# KiCad board q2.kicad_pcb (continued)
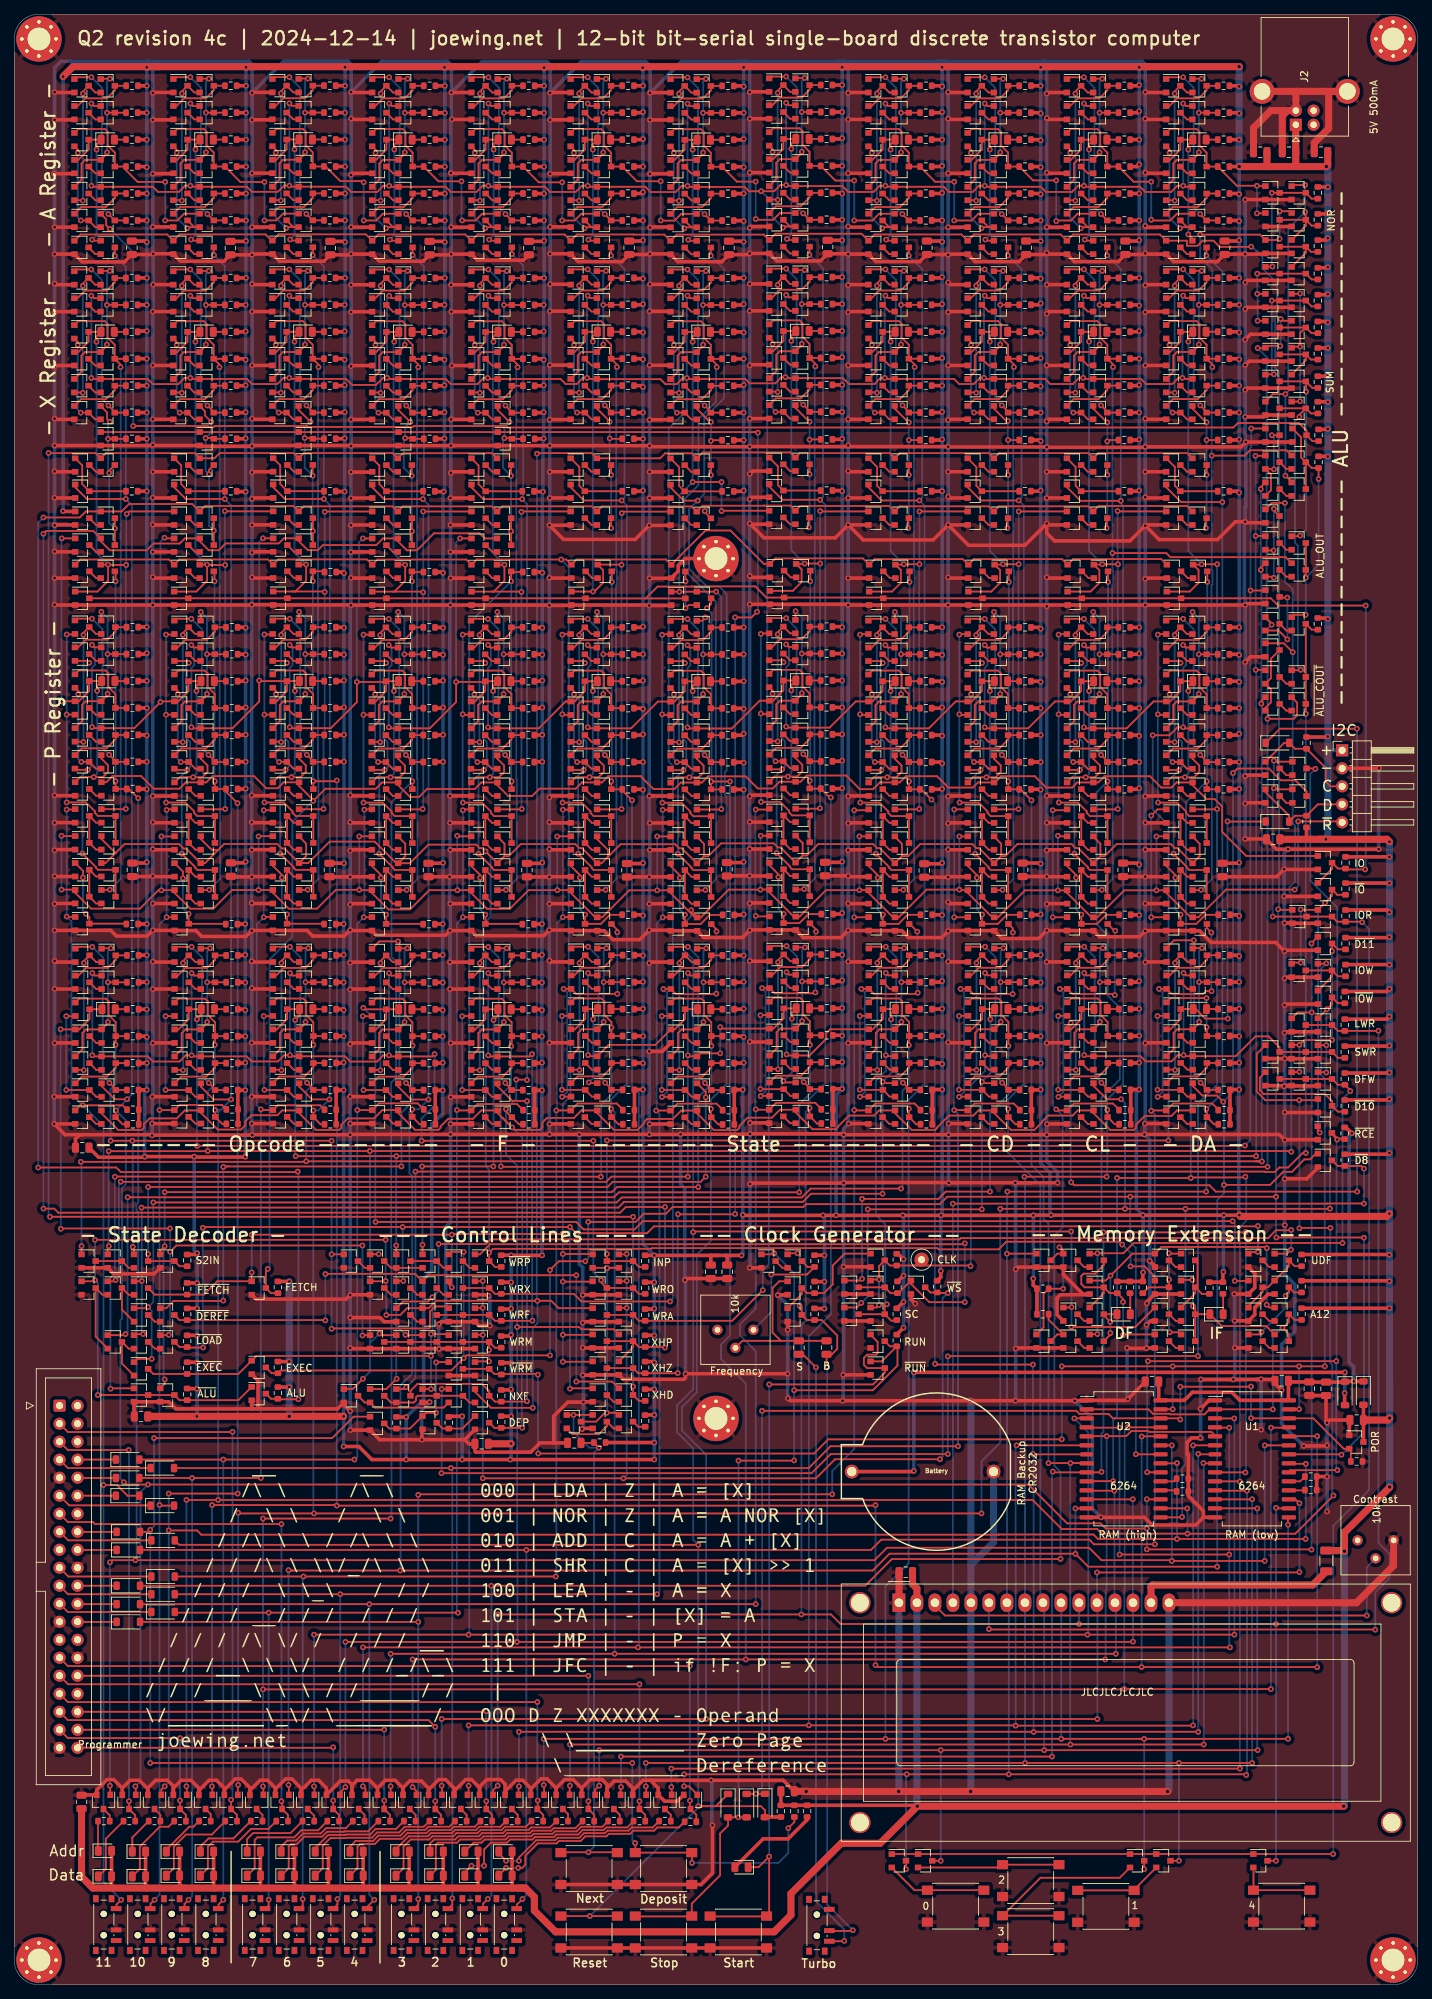
[diagram p0: board, top side]
## Routing (per net, layer and track width the routed paths; a pad name or vN(x,y) marks a point on that pad's centre or on a via; arc(x,y) is an arc through that point) (continued)
VCC: length 4016.3
  Top w0.5: 31.46,210.63 31.38,210.7 31.44,210.65 v1(32.65,210.65) ; R322.1 90.23,95.32 v1(90.3,95.4) ; v1(90.3,91.6) 90.27,91.62 R306.1 ; v1(90.3,87.8) 90.17,87.92 R310.1 ; v1(90.3,84) 89.02,84 R313.1 ; v1(90.3,99.1) 89.02,99.1 R323.1 ; 31.52,149.65 R48.1 31.52,149.65 v1(32.6,149.65) ; 31.54,172.53 R54.1 31.56,172.55 v1(32.65,172.55) ; 45.39,149.66 R78.1 45.38,149.66 v1(46.47,149.66) ; 45.41,172.54 R84.1 45.43,172.56 v1(46.52,172.56) ; R82.1 46.48,176.32 v1(46.52,176.36) ; R80.1 46.43,180.12 v1(46.52,180.21) ; R83.1 46.43,183.92 v1(46.52,184.01) ; R81.1 46.46,187.72 v1(46.52,187.66) ; v1(46.52,191.46) 46.46,191.52 R79.1 ; v1(46.47,126.21) 45.44,126.21 R90.1 45.42,123.45 R63.1 R62.1 ; v1(46.47,130.11) 46.39,130.03 R88.1 ; v1(46.47,133.81) 46.44,133.83 R86.1 ; v1(46.47,137.51) 46.34,137.63 R89.1 ; v1(46.47,141.41) 46.44,141.43 R87.1 ; R85.1 46.39,145.23 v1(46.47,145.31) ; 59.36,149.65 R108.1 59.36,149.64 v1(60.45,149.64) ; 59.39,172.52 R114.1 59.41,172.54 v1(60.5,172.54) ; R112.1 60.45,176.3 v1(60.5,176.34) ; R110.1 60.4,180.1 v1(60.5,180.19) ; R113.1 60.4,183.9 v1(60.5,183.99) ; R111.1 60.44,187.7 v1(60.5,187.64) ; v1(60.5,191.44) 60.44,191.5 R109.1 ; v1(60.45,126.19) 59.42,126.19 R120.1 59.4,123.53 R93.1 R92.1 ; v1(60.45,130.09) 60.37,130.02 R118.1 ; v1(60.45,133.79) 60.42,133.82 R116.1 ; v1(60.45,137.49) 60.32,137.62 R119.1 ; v1(60.45,141.39) 60.42,141.42 R117.1 ; R115.1 60.37,145.22 v1(60.45,145.29) ; 73.36,149.65 R138.1 73.36,149.64 v1(74.45,149.64) ; 73.39,172.52 R144.1 73.41,172.54 v1(74.5,172.54) ; R142.1 74.45,176.3 v1(74.5,176.34) ; R140.1 74.4,180.1 v1(74.5,180.19) ; R143.1 74.4,183.9 v1(74.5,183.99) ; R141.1 74.44,187.7 v1(74.5,187.64) ; v1(74.5,191.44) 74.44,191.5 R139.1 ; v1(74.45,126.19) 73.42,126.19 R150.1 73.4,123.43 R123.1 R122.1 ; v1(74.45,130.09) 74.37,130.02 R148.1 ; v1(74.45,133.79) 74.42,133.82 R146.1 ; v1(74.45,137.49) 74.32,137.62 R149.1 ; v1(74.45,141.39) 74.42,141.42 R147.1 ; R145.1 74.37,145.22 v1(74.45,145.29) ; R136.1 74.63,233.18 v1(74.7,233.24) ; R133.1 74.56,229.38 v1(74.7,229.24) ; v1(74.7,225.64) 74.63,225.58 R135.1 ; R137.1 74.63,221.78 v1(74.7,221.84) ; v1(74.6,210.64) 73.38,210.64 R131.1 73.41,210.62 ; v1(74.7,236.99) 73.43,236.99 R134.1 ; v1(74.75,240.79) 73.43,240.79 R132.1 ; v1(74.75,248.89) 73.43,248.89 R129.1 ; v1(74.75,252.69) 73.43,252.69 R127.1 ; v1(74.75,256.49) 73.43,256.49 R125.1 ; v1(74.75,260.29) 73.43,260.29 R128.1 ; v1(74.75,264.09) 73.43,264.09 R126.1 ; R124.1 74.74,267.9 v1(74.75,267.89) ; 46.68,270.5 v1(46.67,270.51) ; R106.1 60.63,233.18 v1(60.7,233.24) ; R103.1 60.56,229.38 v1(60.7,229.24) ; v1(60.7,225.64) 60.63,225.58 R105.1 ; R107.1 60.63,221.78 v1(60.7,221.84) ; v1(60.6,210.64) 59.38,210.64 R101.1 59.41,210.62 ; v1(60.7,236.99) 59.43,236.99 R104.1 ; v1(60.75,240.79) 59.43,240.79 R102.1 ; v1(60.75,248.89) 59.43,248.89 R99.1 ; v1(60.75,252.69) 59.43,252.69 R97.1 ; v1(60.75,256.49) 59.43,256.49 R95.1 ; v1(60.75,260.29) 59.43,260.29 R98.1 ; v1(60.75,264.09) 59.43,264.09 R96.1 ; R94.1 60.74,267.9 v1(60.75,267.89) ; R76.1 46.56,233.2 v1(46.62,233.26) ; R73.1 46.48,229.4 v1(46.62,229.26) ; v1(46.62,225.66) 46.56,225.6 R75.1 ; R77.1 46.56,221.8 v1(46.62,221.86) ; R70.1 46.57,218.11 v1(46.62,218.16) ; v1(46.62,210.66) 45.41,210.66 R71.1 45.43,210.64 ; v1(46.62,237.01) 45.35,237.01 R74.1 ; v1(46.67,240.81) 45.35,240.81 R72.1 ; v1(46.67,248.91) 45.36,248.91 R69.1 ; v1(46.67,252.71) 45.36,252.71 R67.1 ; v1(46.67,256.51) 45.36,256.51 R65.1 ; v1(46.67,260.31) 45.36,260.31 R68.1 ; v1(46.67,264.11) 45.36,264.11 R66.1 ; R64.1 46.66,267.92 v1(46.67,267.91) ; 87.5,126.27 87.48,126.25 ; 87.48,126.25 87.52,126.3 v1(88.7,126.3) ; 87.48,126.25 87.5,126.22 R401.1 R400.1 ; 101.53,267.88 101.51,267.9 R372.1 102.82,267.88 v1(102.9,267.8) ; 101.58,126.25 R398.1 ; R398.1 101.61,126.28 v1(102.78,126.28) ; R398.1 101.58,126.2 R371.1 R370.1 ; 115.45,268 115.42,268.02 R154.1 v1(116.8,268) ; 115.5,126.37 115.48,126.35 ; 115.48,126.35 115.5,126.32 R153.1 R152.1 ; 115.48,126.35 115.52,126.4 v1(116.8,126.4) ; 129.45,267.9 129.43,267.92 R184.1 130.8,267.9 v1(130.9,267.8) ; 129.5,126.27 129.48,126.25 ; 129.48,126.25 129.5,126.22 R183.1 R182.1 ; 129.48,126.25 129.52,126.3 v1(130.9,126.3) ; 157.45,267.9 157.43,267.92 R214.1 158.6,267.9 v1(158.7,268) ; 157.5,126.27 157.48,126.25 ; 157.48,126.25 157.5,126.22 R213.1 R212.1 ; 157.48,126.25 157.52,126.3 v1(158.7,126.3) ; 171.45,267.9 171.43,267.92 R244.1 172.7,267.9 v1(172.8,267.8) ; 171.5,126.27 171.48,126.25 ; 171.48,126.25 171.5,126.22 R243.1 R242.1 ; 171.48,126.25 171.52,126.3 v1(172.8,126.3) ; R245.1 v2(172.8,256.5) ; v1(144.8,252.6) 144.7,252.7 R342.1 ; v1(38.8,84.34) 38.78,84.32 R305.1 ; 143.48,130.05 144.75,130.05 v1(144.8,130) ; v1(194,155.4) 193.98,155.42 R288.1 ; R406.1 88.6,260.3 v1(88.7,260.4) ; R291.1 193.68,151.62 v1(194,151.3) ; R343.1 144.7,260.3 v1(144.8,260.2) ; R356.1 144.6,237 v1(144.8,237.2) ; v1(32.6,116.82) 32.55,116.77 25.47,116.77 v1(25.4,116.84) 18.41,116.84 v1(18.4,116.82) 18.32,116.75 11.9,116.75 C20.2 ; R264.1 v1(172.8,221.8) ; R411.1 v1(88.7,187.7) ; v1(144.8,137.8) 144.65,137.65 143.48,137.65 ; v1(46.67,245.87) 46.59,245.95 C3.1 ; 193.95,108.75 v1(194,108.8) ; R403.1 v1(88.7,256.5) ; v1(130.9,187.6) 130.8,187.7 R193.1 ; R248.1 v1(172.8,260.3) ; R454.1 193.98,103.02 v1(194,103) ; R15.1 17.42,225.6 v1(18.7,225.6) ; R369.1 102.87,168.63 v1(102.9,168.6) ; R257.1 172.72,217.92 v1(172.8,218) ; v1(32.65,191.45) 32.59,191.51 R49.1 ; v1(18.7,149.65) R18.1 ; v1(88.7,240.7) 87.52,240.7 R417.1 ; C38.1 172.7,158.22 v1(172.8,158.32) ; R391.1 102.82,233.18 v1(102.9,233.1) ; Q23.1 6.95,207.85 v1(6.9,207.9) ; R352.1 144.68,217.92 v1(144.8,217.8) ; R201.1 130.8,237 v1(130.9,237.1) ; R173.1 v1(116.8,233.3) ; v1(46.52,199.13) 46.35,199.3 R61.1 ; R56.1 32.58,133.82 v1(32.6,133.8) ; R298.1 25.77,95.42 v1(25.8,95.4) ; R409.1 88.6,191.5 v1(88.7,191.6) ; C7.1 130.8,246 v1(130.9,245.9) ; R319.1 61.38,80.2 v1(63.2,80.2) ; R422.1 v1(88.7,221.8) ; R303.1 25.62,103.02 v1(25.8,103.2) ; v1(158.7,137.7) 158.65,137.65 157.48,137.65 ; R216.1 158.5,264.1 v1(158.7,264.3) ; R404.1 88.6,264.1 v1(88.7,264.2) ; R397.1 102.83,137.63 v1(102.9,137.7) ; R315.1 68.72,99.1 v1(70.1,99.1) ; v1(18.7,145.25) 17.57,145.25 R25.1 ; v1(88.7,229.3) 88.6,229.4 R418.1 ; v1(172.8,130.1) 172.75,130.05 171.48,130.05 ; v1(144.8,191.3) 144.6,191.5 R346.1 ; v1(32.7,264.1) 31.39,264.1 R36.1 ; v1(102.9,252.7) 102.88,252.68 R375.1 ; v1(185.3,215.6) 185.27,215.62 184,215.62 ; v1(102.9,151) 102.83,150.93 R378.1 ; 108,25.32 110.2,25.32 110.12,25.32 ; v1(130.9,176.2) 130.8,176.3 R194.1 ; v1(116.8,172.7) 116.7,172.6 R166.1 ; R52.1 32.61,176.31 v1(32.65,176.35) ; v1(32.65,184) 32.56,183.91 R53.1 ; R29.1 18.67,137.63 v1(18.7,137.6) ; R300.1 25.77,87.82 v1(25.8,87.8) ; v1(88.7,176.4) 88.6,176.3 R412.1 ; 87.48,137.65 88.65,137.65 v1(88.7,137.7) ; R158.1 116.7,260.4 v1(116.8,260.5) ; R43.1 32.51,229.39 v1(32.65,229.25) ; v1(194,136.6) 193.63,136.22 R289.1 ; R271.1 112.92,95.4 v1(114.3,95.4) ; R294.1 193.63,140.12 v1(194,140.5) ; v1(74.7,218.14) 74.65,218.09 R130.1 ; R390.1 102.78,225.58 v1(102.9,225.7) ; v1(130.9,180.2) 130.8,180.1 R192.1 ; 183.9,249.82 185.12,249.82 v1(185.3,250) ; v1(88.7,168.6) 88.65,168.65 R399.1 ; R396.1 102.83,130.03 v1(102.9,130.1) ; v1(102.9,221.8) 102.88,221.78 R392.1 ; v1(116.8,158.45) 116.7,158.35 C35.1 ; v1(32.7,252.7) 31.39,252.7 R37.1 ; R32.1 R33.1 31.55,123.52 R60.1 31.58,126.2 v1(32.6,126.2) ; R203.1 v1(130.9,233.2) ; R39.1 31.39,248.9 v1(32.7,248.9) ; R349.1 v1(144.8,176.3) ; v1(170.57,100.57) 170.5,100.5 R457.1 R458.1 ; v1(114.3,99.2) 112.92,99.2 R273.1 ; R461.1 R460.1 R456.1 159.2,100.45 v1(159.25,100.5) ; R191.1 v1(130.9,191.5) ; R326.1 185.23,242.22 v1(185.3,242.3) ; R219.1 v1(158.7,248.9) ; R263.1 172.7,233.2 v1(172.8,233.1) ; R384.1 102.82,172.48 v1(102.9,172.4) ; C23.1 88.61,246 v1(88.7,246.09) ; v1(102.9,256.4) 102.82,256.48 R373.1 ; v1(130.7,100.7) 130.7,99.82 R308.1 ; R16.1 17.52,233.3 v1(18.7,233.3) ; v1(18.7,172.55) 17.52,172.55 R24.1 ; R455.1 v1(194,95.45) ; 143.48,145.25 144.75,145.25 v1(144.8,145.3) ; v1(158.7,130.1) 158.65,130.05 157.48,130.05 ; R55.1 32.52,145.22 v1(32.6,145.3) ; v1(158.7,145.3) 158.65,145.25 157.48,145.25 ; R402.1 87.42,267.92 87.45,267.9 v1(88.7,267.9) ; C9.1 172.7,246 v1(172.8,246.1) ; R380.1 102.82,180.08 v1(102.9,180) ; 55.8,13.65 55.74,13.71 D89.2 D75.2 ; v1(130.9,256.6) 130.8,256.5 R185.1 ; v1(25.8,84.1) 24.42,84.1 R304.1 ; R395.1 102.83,141.43 v1(102.9,141.5) ; R151.1 116.75,168.75 v1(116.8,168.8) ; v1(158.7,210.8) 158.6,210.7 R228.1 ; v1(18.7,168.65) 18.65,168.7 17.52,168.7 ; R317.1 70.02,95.32 v1(70.1,95.4) ; v1(158.7,158.02) 158.48,158.24 C37.1 ; R416.1 88.6,210.7 v1(88.7,210.8) ; v1(172.8,133.8) 172.75,133.85 171.48,133.85 ; v1(74.75,246.05) 74.65,245.95 C5.1 ; R381.1 102.88,187.68 v1(102.9,187.7) ; R28.1 18.68,130.03 v1(18.7,130.05) ; v1(32.6,141.4) 32.58,141.42 R57.1 ; v1(70.1,91.7) 69.92,91.52 R314.1 ; R170.1 116.7,229.5 v1(116.8,229.6) ; C24.2 100.58,102.69 100.37,102.9 ; R217.1 v1(158.7,252.7) ; R161.1 116.7,191.6 v1(116.8,191.5) ; R234.1 v1(158.7,221.8) ; v1(130.9,129.9) 130.75,130.05 129.48,130.05 ; R51.1 32.59,187.71 v1(32.65,187.65) ; R292.1 193.93,132.42 v1(194,132.5) ; R463.1 R462.1 143.75,98.72 v1(143.75,99.62) ; R190.1 130.85,150.95 v1(130.9,150.9) ; v1(144.8,133.8) 144.75,133.85 143.48,133.85 ; v1(46.52,158.21) 46.51,158.22 C32.1 ; R290.1 193.93,147.72 v1(194,147.8) ; R324.1 185.27,253.62 v1(185.3,253.6) ; v1(88.7,158.26) 88.62,158.18 C41.1 ; v1(130.9,252.8) 130.8,252.7 R187.1 ; R241.1 172.75,168.65 v1(172.8,168.7) ; v1(158.7,150.9) 158.65,150.95 R220.1 ; R347.1 v1(144.8,180.1) ; v1(102.9,191.5) 102.88,191.48 R379.1 ; 87.48,130.05 88.65,130.05 v1(88.7,130) ; v1(125.45,96.35) 124.52,95.42 R276.1 ; v1(185.3,238.5) 185.23,238.42 R325.1 ; R223.1 158.6,187.7 v1(158.7,187.8) ; v1(102.9,145.2) 102.87,145.23 R393.1 ; 87.48,145.25 88.65,145.25 v1(88.7,145.2) ; R196.1 130.7,172.5 v1(130.9,172.3) ; v1(144.8,158.16) 144.71,158.25 C39.1 ; v1(18.7,180.1) 18.67,180.13 R20.1 ; v1(32.7,246) 32.65,245.95 C2.1 ; 31.52,168.7 32.6,168.7 v1(32.65,168.75) ; C34.1 74.37,158.2 v1(74.5,158.33) ; v1(130.9,183.8) 130.8,183.9 R195.1 ; C17.1 v1(144.8,246) ; v1(185.3,227) 185.23,226.92 R327.1 ; v1(158.7,225.7) 158.6,225.6 R232.1 ; v1(32.65,218.15) 32.6,218.1 31.38,218.1 ; v1(194,128.7) 193.93,128.62 R295.1 ; R466.1 70.05,87.75 v1(70.1,87.7) ; R156.1 v1(116.8,264.2) ; R227.1 158.62,217.92 v1(158.7,218) ; v1(38.8,87.93) 38.8,87.92 R302.1 ; v1(102.9,183.9) 102.88,183.88 R383.1 ; v1(88.7,141.5) 88.65,141.45 87.48,141.45 ; v1(90.3,74.1) v1(70,74.1) v1(63.2,74.1) v1(55.3,74.1) 50.46,74.1 48.61,75.94 v1(46.47,75.94) ; R250.1 172.65,150.95 v1(172.8,150.8) ; v1(144.8,229.5) 144.7,229.4 R355.1 ; v1(102.9,245.9) 102.82,245.98 C22.1 ; R172.1 v1(116.8,225.7) ; v1(116.8,210.7) 116.7,210.8 R168.1 ; R47.1 32.59,221.79 v1(32.65,221.85) ; 49.33,13.65 49.24,13.74 D88.2 D74.2 ; v1(130.9,137.7) 130.85,137.65 129.48,137.65 ; R353.1 144.7,210.7 v1(144.8,210.8) ; v1(88.7,233.1) 88.6,233.2 R421.1 ; 115.48,130.15 116.75,130.15 v1(116.8,130.2) ; v1(172.8,264) 172.7,264.1 R246.1 ; 115.48,133.95 116.75,133.95 v1(116.8,133.9) ; v1(74.47,102.9) v1(70.1,102.9) 70.08,102.92 R321.1 ; v1(172.8,248.8) 172.7,248.9 R249.1 ; v1(74.5,199.2) 74.4,199.3 R121.1 ; v1(144.8,264) 144.7,264.1 R341.1 ; 23.9,13.65 23.34,14.21 D83.2 D71.2 ; R167.1 116.72,218.02 v1(116.8,218.1) ; v1(70.1,84) 70.02,83.92 R309.1 ; R42.1 31.38,240.8 v1(32.7,240.8) ; v1(130.9,218) 130.82,217.92 R197.1 ; v1(130.9,133.9) 130.85,133.85 129.48,133.85 ; R169.1 v1(116.8,240.9) ; v1(130.9,145.2) 130.85,145.25 129.48,145.25 ; R259.1 v1(172.8,240.8) ; v1(158.7,168.8) 158.55,168.65 R211.1 ; D79.2 D91.2 65.44,13.76 65.33,13.65 ; R252.1 v1(172.8,180.1) ; v1(144.8,141.4) 144.75,141.45 143.48,141.45 ; 183.9,246.12 185.02,246.12 v1(185.3,246.4) ; v1(32.65,180.2) 32.56,180.11 R50.1 ; v1(185.3,230.9) 185.27,230.92 R331.1 ; R420.1 88.5,225.6 v1(88.7,225.4) ; 171.48,141.45 172.75,141.45 v1(172.8,141.5) ; R160.1 116.65,151.05 v1(116.8,151.2) ; v1(144.8,126.3) 144.75,126.25 143.48,126.25 143.48,123.42 R338.1 R337.1 ; v1(194,159.1) 193.98,159.12 R287.1 ; R253.1 172.7,187.7 v1(172.8,187.6) ; v1(158.7,141.6) 158.55,141.45 157.48,141.45 ; v1(18.7,183.95) 18.68,183.93 R23.1 ; v1(32.7,260.3) 31.39,260.3 R38.1 ; v1(144.8,233) 144.6,233.2 R358.1 ; R221.1 v1(158.7,191.5) ; v1(185.3,176.1) 185.23,176.02 R368.1 ; D38.2 C15.2 U3.3 ; R186.1 130.8,264.1 v1(130.9,264.2) ; R275.1 124.67,103.12 v1(125.45,102.35) ; 115.48,145.35 116.75,145.35 v1(116.8,145.3) ; R231.1 158.6,237 v1(158.7,236.9) ; R163.1 v1(116.8,187.8) ; v1(90.3,80.4) 89.02,80.4 R311.1 ; v1(18.7,229.4) 17.42,229.4 R13.1 ; R261.1 v1(172.8,237) ; v1(102.9,229.4) 102.88,229.38 R388.1 ; C40.1 102.81,158.32 v1(102.9,158.41) ; R165.1 v1(116.8,184) ; R46.1 32.59,233.19 v1(32.65,233.25) ; R344.1 v1(144.8,248.9) ; C6.1 v1(116.8,246.1) ; v1(194,143.9) 193.98,143.92 R293.1 ; R58.1 32.52,130.02 v1(32.6,130.1) ; v1(172.8,252.6) 172.7,252.7 R247.1 ; v1(70.1,80.2) 68.72,80.2 R320.1 ; R262.1 v1(172.8,225.6) ; v1(102.9,240.8) 102.88,240.78 R387.1 ; R376.1 102.78,260.28 v1(102.9,260.4) ; R256.1 v1(172.8,172.5) ; R359.1 v1(144.8,221.8) ; 87.48,133.85 88.65,133.85 v1(88.7,133.8) ; R297.1 24.42,99 v1(25.8,99) ; R17.1 17.42,221.8 v1(18.7,221.8) ; v1(102.9,210.8) 102.78,210.68 R386.1 ; v1(88.7,150.85) 88.6,150.95 R408.1 ; R204.1 130.8,221.8 v1(130.9,221.9) ; R377.1 102.82,248.88 v1(102.9,248.8) ; R296.1 193.88,124.82 v1(194,124.95) ; R258.1 172.6,210.7 v1(172.8,210.5) ; v1(130.9,141.6) 130.75,141.45 129.48,141.45 ; v1(172.82,108.57) v1(170.62,108.57) v1(159.23,108.57) 143.8,108.57 v1(143.77,108.55) v1(130.75,108.55) v1(125.35,108.55) v1(115.95,108.55) v1(114.11,108.55) 102.85,108.55 v1(102.78,108.62) ; v1(158.7,246.1) 158.6,246 C8.1 ; v1(102.6,102.9) 100.37,102.9 ; 100.37,102.9 99.3,102.9 ; R218.1 v1(158.7,260.3) ; R464.1 R279.1 127.27,25.32 v2(127.4,25.2) ; v1(194,117.35) 193.82,117.17 187.69,117.17 ; R332.1 185.27,223.32 v1(185.3,223.3) ; C1.1 18.55,246 v1(18.7,245.85) ; R374.1 102.88,264.08 v1(102.9,264.1) ; 171.48,145.25 172.65,145.25 v1(172.8,145.1) ; R453.2 C21.2 ; 18.75,13.65 18.54,13.86 D82.2 D70.2 ; v1(158.7,133.9) 158.65,133.85 157.48,133.85 ; 60.38,13.65 60.54,13.81 D90.2 D78.2 ; v1(88.7,237.1) 88.6,237 R419.1 ; R336.1 144.75,168.65 v1(144.8,168.6) ; R181.1 130.85,168.65 v1(130.9,168.7) ; R59.1 32.47,137.62 v1(32.6,137.5) ; R357.1 144.7,225.6 v1(144.8,225.5) ; 115.48,137.75 116.75,137.75 v1(116.8,137.8) ; R157.1 116.7,252.8 v1(116.8,252.7) ; v1(158.7,256.8) 158.4,256.5 R215.1 ; R389.1 102.78,236.98 v1(102.9,237.1) ; R394.1 102.77,133.83 v1(102.9,133.7) ; R413.1 88.6,183.9 v1(88.7,184) ; v1(18.7,176.25) 18.62,176.33 R22.1 ; v1(88.7,252.9) 88.5,252.7 R405.1 ; v1(130.9,240.9) 130.8,240.8 R199.1 ; R280.1 193.93,99.32 v1(194,99.25) ; C4.1 60.65,245.95 v1(60.75,245.85) ; R162.1 v1(116.8,180.2) ; v1(114.3,102.9) 114.27,102.92 R272.1 ; v1(158.7,176.2) 158.6,176.3 R224.1 ; R333.1 183.9,192.8 185.2,192.8 v1(185.3,192.7) ; D80.2 D92.2 70.24,13.74 70.33,13.65 ; R155.1 v1(116.8,256.6) ; R202.1 v1(130.9,225.6) ; R225.1 v1(158.7,183.9) ; R301.1 38.78,99.22 v1(38.8,99.21) ; R229.1 v1(158.7,240.8) ; R5.1 18.6,256.5 v1(18.7,256.4) ; v1(18.7,133.7) 18.57,133.83 R26.1 ; R339.1 v1(144.8,267.9) ; 99.3,102.9 v1(90.3,102.9) 89.02,102.9 R307.1 ; 99.3,102.9 98.25,102.9 98.26,102.89 C26.2 ; C36.1 130.78,158.15 v1(130.9,158.27) ; v1(172.8,229.3) 172.7,229.4 R260.1 ; R222.1 v1(158.7,180.1) ; R230.1 v1(158.7,229.4) ; v1(18.7,126.25) 17.57,126.25 R30.1 17.58,126.2 R3.1 R2.1 ; R4.1 v1(18.7,267.9) ; 44.02,13.65 44.34,13.96 D87.2 D73.2 ; R277.1 124.62,99.22 v1(125.45,100.05) ; 13.88,13.65 13.74,13.79 D81.2 D69.2 ; v1(25.8,91.6) 25.77,91.62 R299.1 ; v1(60.7,218.14) 60.65,218.09 R100.1 ; R329.1 185.15,234.65 v1(185.3,234.5) ; 171.48,137.65 172.75,137.65 v1(172.8,137.7) ; R45.1 32.59,225.59 v1(32.65,225.65) ; R233.1 158.6,233.2 v1(158.7,233.3) ; R8.1 v1(18.7,260.3) ; v1(18.7,187.85) 18.58,187.73 R21.1 ; 182.23,161.6 182.3,161.67 R367.1 ; v1(88.7,172.5) R414.1 ; R171.1 v1(116.8,237.1) ; v1(18.7,141.45) 18.2,141.45 18.18,141.43 R27.1 ; D72.2 D84.2 28.14,13.66 28.15,13.65 ; v1(32.65,237) 31.38,237 R44.1 ; v1(88.7,248.9) R407.1 ; R385.1 v1(102.9,217.9) ; R345.1 144.75,150.95 v1(144.8,151) ; v1(172.8,183.8) 172.7,183.9 R255.1 ; v1(18.7,218.1) R10.1 ; v1(60.5,199.2) 60.4,199.3 R91.1 ; R251.1 v1(172.8,191.5) ; R34.1 32.69,267.91 v1(32.7,267.9) ; v1(116.8,141.7) 116.65,141.55 115.48,141.55 ; C33.1 60.43,158.22 v1(60.5,158.29) ; R410.1 88.6,180.1 v1(88.7,180) ; v1(18.7,191.55) 17.52,191.55 R19.1 ; R7.1 v1(18.7,252.7) ; R14.1 17.42,237 v1(18.7,237) ; v1(125.45,92.7) 124.5,91.75 R278.1 ; v1(55.3,80.1) 53.92,80.1 53.9,80.12 ; R164.1 v1(116.8,176.4) ; C30.1 18.58,158.25 v1(18.7,158.37) ; v1(90.3,76.5) R312.1 ; R189.1 v1(130.9,248.9) ; R350.1 144.7,183.9 v1(144.8,183.8) ; D76.2 D85.2 34.74,13.66 34.72,13.65 ; R174.1 v1(116.8,221.9) ; v1(130.9,229.5) 130.8,229.4 R200.1 ; v1(102.9,176.5) 102.68,176.28 R382.1 ; v1(144.8,240.7) 144.7,240.8 R354.1 ; R254.1 172.6,176.3 v1(172.8,176.5) ; D77.2 D86.2 39.54,14.01 39.9,13.65 ; R198.1 v1(130.9,210.7) ; R348.1 v1(144.8,187.7) ; R226.1 v1(158.7,172.5) ; v1(32.7,256.5) 31.39,256.5 R35.1 ; v1(185.3,219.5) 185.23,219.42 R335.1 ; R351.1 v1(144.8,172.5) ; R188.1 v1(130.9,260.3) ; R12.1 17.42,240.8 v1(18.7,240.8) ; v1(18.7,210.7) R11.1 ; R340.1 144.7,256.5 v1(144.8,256.4) ; R415.1 v1(88.7,218.1) ; C31.1 32.48,158.28 v1(32.65,158.45) ; v1(18.7,264.1) R6.1 ; R159.1 v1(116.8,249) ; v1(18.7,248.9) R9.1
  Top w1: 71.75,13.65 11.1,13.65 9.5,15.25 C18.2 ; 71.75,13.65 72.12,13.65 73.38,12.4 73.38,10.47 76.38,7.47 107.2,7.47 109.57,9.84 109.57,12.87 116.66,19.96 122.16,19.96 v2(127.4,25.2) v2(187.55,25.2) ; 71.75,13.65 71,13.65 ; 47.5,270.6 46.76,270.6 v1(46.67,270.51) ; 47.5,270.6 62.1,270.6 ; 47.5,270.6 34.1,270.6 ; 184.18,161.6 193.65,161.6 v1(194,161.25) ; 184.18,161.6 v1(185.02,161.6) ; 184.18,161.6 C29.2 ; v1(116.8,270.5) 116.9,270.6 118.2,270.6 ; C15.2 193.75,79.67 v2(194.02,79.95) ; v1(130.9,270.5) 131,270.6 132.1,270.6 ; v1(18.7,270.5) 18.8,270.6 20.48,270.6 ; C43.1 70.06,76.32 v1(70.1,76.36) ; 132.1,270.6 118.2,270.6 ; 132.1,270.6 146.2,270.6 ; 118.2,270.6 103.8,270.6 ; 34.1,270.6 20.48,270.6 ; 34.1,270.6 32.8,270.6 v1(32.7,270.5) ; 20.48,270.6 8.3,270.6 v1(6.9,269.2) ; v2(172.8,256.5) 176.75,256.5 ; 176.75,256.5 176.72,256.53 C19.2 ; 176.75,256.5 181.16,256.5 ; 62.1,270.6 60.8,270.6 v1(60.7,270.5) ; 62.1,270.6 75.9,270.6 ; v1(74.75,270.45) 74.89,270.6 75.9,270.6 ; 160.1,270.6 146.2,270.6 ; 160.1,270.6 v2(172.8,270.6) ; 160.1,270.6 158.8,270.6 v1(158.7,270.5) ; 146.2,270.6 144.9,270.6 v1(144.8,270.5) ; 89.5,270.6 88.8,270.6 v1(88.65,270.45) ; 89.5,270.6 103.8,270.6 ; 89.5,270.6 75.9,270.6 ; 103.8,270.6 103,270.6 v1(102.9,270.5) ; 181.16,256.5 v2(185.1,256.5) 185.29,256.69 C27.2 ; 181.16,256.5 180.78,256.88 C25.1 180.78,262.38 J2.1 180.77,262.38 ; DS1.2 127.34,55.92 126.72,56.54 C28.1 ; 186.84,61.26 R274.2 187.56,61.26 v2(187.65,61.17) 187.65,63.85 187.7,63.85 194.02,70.17 ; v1(172.82,108.57) 173,108.4 193.6,108.4 v1(194,108.8) ; v1(46.47,80.19) 46.46,80.2 v2(38.8,80.2) 25.77,80.2 v1(25.76,80.19) 18.86,80.19 C42.1 25.71,80.18
  Bottom w0.5: v1(74.75,270.45) v1(74.75,267.89) v1(74.75,264.09) v1(74.75,260.29) v1(74.75,256.49) v1(74.75,252.69) v1(74.75,248.89) v1(74.75,246.05) v1(74.75,240.79) 74.75,237.04 v1(74.7,236.99) v1(74.7,233.24) v1(74.7,229.24) v1(74.7,225.64) v1(74.7,221.84) v1(74.7,218.14) 74.6,218.04 v1(74.6,210.64) ; v1(60.7,270.5) 60.75,270.45 v1(60.75,267.89) v1(60.75,264.09) v1(60.75,260.29) v1(60.75,256.49) v1(60.75,252.69) v1(60.75,248.89) v1(60.75,245.85) v1(60.75,240.79) 60.75,237.04 v1(60.7,236.99) v1(60.7,233.24) v1(60.7,229.24) v1(60.7,225.64) v1(60.7,221.84) v1(60.7,218.14) 60.7,210.74 v1(60.6,210.64) ; v1(46.62,210.66) v1(46.62,218.16) v1(46.62,221.86) v1(46.62,225.66) v1(46.62,229.26) v1(46.62,233.26) v1(46.62,237.01) 46.67,237.06 v1(46.67,240.81) v1(46.67,245.87) v1(46.67,248.91) v1(46.67,252.71) v1(46.67,256.51) v1(46.67,260.31) v1(46.67,264.11) v1(46.67,267.91) v1(46.67,270.51) ; v1(143.75,99.62) 143.77,99.65 v1(143.77,108.55) ; v1(32.7,270.5) v1(32.7,267.9) v1(32.7,264.1) v1(32.7,260.3) v1(32.7,256.5) v1(32.7,252.7) v1(32.7,248.9) v1(32.7,246) v1(32.7,240.8) 32.7,237.05 v1(32.65,237) v1(32.65,233.25) v1(32.65,229.25) v1(32.65,225.65) v1(32.65,221.85) v1(32.65,218.15) v1(32.65,210.65) v1(32.65,191.45) v1(32.65,187.65) v1(32.65,184) v1(32.65,180.2) v1(32.65,176.35) v1(32.65,172.55) v1(32.65,168.75) v1(32.65,158.45) 32.65,149.7 v1(32.6,149.65) v1(32.6,145.3) v1(32.6,141.4) v1(32.6,137.5) v1(32.6,133.8) v1(32.6,130.1) v1(32.6,126.2) v1(32.6,116.82) ; v1(25.76,80.19) 25.8,80.23 v1(25.8,84.1) v1(25.8,87.8) v1(25.8,91.6) v1(25.8,95.4) v1(25.8,99) v1(25.8,103.2) 25.4,103.6 v1(25.4,116.84) ; v1(130.7,100.7) 130.7,108.5 v1(130.75,108.55) 130.9,108.7 v1(130.9,126.3) v1(130.9,129.9) v1(130.9,133.9) v1(130.9,137.7) v1(130.9,141.6) v1(130.9,145.2) v1(130.9,150.9) v1(130.9,158.27) v1(130.9,168.7) v1(130.9,172.3) v1(130.9,176.2) v1(130.9,180.2) v1(130.9,183.8) v1(130.9,187.6) v1(130.9,191.5) v1(130.9,210.7) v1(130.9,218) v1(130.9,221.9) v1(130.9,225.6) v1(130.9,229.5) v1(130.9,233.2) v1(130.9,237.1) v1(130.9,240.9) v1(130.9,245.9) v1(130.9,248.9) v1(130.9,252.8) v1(130.9,256.6) v1(130.9,260.3) v1(130.9,264.2) v1(130.9,267.8) v1(130.9,270.5) ; J3.1 185.3,174.15 ; v1(159.25,100.5) 159.25,108.55 v1(159.23,108.57) 158.3,109.5 158.3,125.9 v1(158.7,126.3) ; 60.5,210.64 v1(60.5,199.2) v1(60.5,191.44) v1(60.5,187.64) v1(60.5,183.99) v1(60.5,180.19) v1(60.5,176.34) v1(60.5,172.54) v1(60.5,158.29) 60.5,149.69 v1(60.45,149.64) v1(60.45,145.29) v1(60.45,141.39) v1(60.45,137.49) v1(60.45,133.79) v1(60.45,130.09) v1(60.45,126.19) 60.45,122.92 58.9,121.37 58.9,100.77 57.75,99.62 57.75,82.55 v1(55.3,80.1) v1(55.3,74.1) ; v1(70,74.1) 70.1,74.2 v1(70.1,76.36) v1(70.1,80.2) v1(70.1,84) v1(70.1,87.7) v1(70.1,91.7) v1(70.1,95.4) v1(70.1,99.1) v1(70.1,102.9) ; v1(102.9,270.5) v1(102.9,267.8) v1(102.9,264.1) v1(102.9,260.4) v1(102.9,256.4) v1(102.9,252.7) v1(102.9,248.8) v1(102.9,245.9) v1(102.9,240.8) v1(102.9,237.1) v1(102.9,233.1) v1(102.9,229.4) v1(102.9,225.7) v1(102.9,221.8) v1(102.9,217.9) v1(102.9,210.8) v1(102.9,191.5) v1(102.9,187.7) v1(102.9,183.9) v1(102.9,180) v1(102.9,176.5) v1(102.9,172.4) v1(102.9,168.6) v1(102.9,158.41) v1(102.9,151) v1(102.9,145.2) v1(102.9,141.5) v1(102.9,137.7) v1(102.9,133.7) v1(102.9,130.1) 102.9,126.4 v1(102.78,126.28) v1(102.78,108.62) 102.78,103.08 v1(102.6,102.9) ; v1(158.7,126.3) 158.65,126.25 ; v1(158.7,126.3) v1(158.7,130.1) v1(158.7,133.9) v1(158.7,137.7) v1(158.7,141.6) v1(158.7,145.3) v1(158.7,150.9) v1(158.7,158.02) v1(158.7,168.8) v1(158.7,172.5) v1(158.7,176.2) v1(158.7,180.1) v1(158.7,187.8) v1(158.7,191.5) v1(158.7,210.8) v1(158.7,218) v1(158.7,221.8) v1(158.7,225.7) v1(158.7,229.4) v1(158.7,233.3) v1(158.7,236.9) v1(158.7,240.8) v1(158.7,246.1) v1(158.7,248.9) v1(158.7,252.7) v1(158.7,256.8) v1(158.7,260.3) v1(158.7,264.3) v1(158.7,268) v1(158.7,270.5) ; v1(18.4,116.82) 18.4,125.95 v1(18.7,126.25) v1(18.7,130.05) v1(18.7,133.7) v1(18.7,137.6) v1(18.7,141.45) v1(18.7,145.25) v1(18.7,149.65) v1(18.7,158.37) v1(18.7,168.65) v1(18.7,172.55) v1(18.7,176.25) v1(18.7,180.1) v1(18.7,183.95) v1(18.7,187.85) v1(18.7,191.55) v1(18.7,210.7) v1(18.7,218.1) v1(18.7,221.8) v1(18.7,225.6) v1(18.7,229.4) v1(18.7,233.3) v1(18.7,237) v1(18.7,240.8) v1(18.7,245.85) v1(18.7,248.9) v1(18.7,252.7) v1(18.7,256.4) v1(18.7,260.3) v1(18.7,264.1) v1(18.7,267.9) v1(18.7,270.5) ; v1(114.3,95.4) v1(114.3,99.2) v1(114.3,102.9) 114.3,108.36 v1(114.11,108.55) ; v1(125.45,92.7) v1(125.45,96.35) v1(125.45,100.05) v1(125.45,102.35) 125.45,108.45 v1(125.35,108.55) ; v1(74.47,102.9) 74.45,102.93 v1(74.45,126.19) v1(74.45,130.09) v1(74.45,133.79) v1(74.45,137.49) v1(74.45,141.39) v1(74.45,145.29) v1(74.45,149.64) 74.5,149.69 v1(74.5,158.33) v1(74.5,172.54) v1(74.5,176.34) v1(74.5,180.19) v1(74.5,183.99) v1(74.5,187.64) v1(74.5,191.44) v1(74.5,199.2) 74.5,210.64 ; v2(172.8,256.5) v1(172.8,252.6) v1(172.8,248.8) v1(172.8,246.1) v1(172.8,240.8) v1(172.8,237) v1(172.8,233.1) v1(172.8,229.3) v1(172.8,225.6) v1(172.8,221.8) v1(172.8,218) v1(172.8,210.5) v1(172.8,191.5) v1(172.8,187.6) v1(172.8,183.8) v1(172.8,180.1) v1(172.8,176.5) v1(172.8,172.5) v1(172.8,168.7) v1(172.8,158.32) v1(172.8,150.8) v1(172.8,145.1) v1(172.8,141.5) v1(172.8,137.7) v1(172.8,133.8) v1(172.8,130.1) v1(172.8,126.3) 172.75,126.25 172.75,108.65 v1(172.82,108.57) ; v1(146.27,108.57) 146.1,108.75 146.1,114.56 144.81,115.85 144.81,120.04 144.8,120.05 v1(144.8,126.3) v1(144.8,130) v1(144.8,133.8) v1(144.8,137.8) v1(144.8,141.4) v1(144.8,145.3) v1(144.8,151) v1(144.8,158.16) v1(144.8,168.6) v1(144.8,172.5) v1(144.8,176.3) v1(144.8,180.1) v1(144.8,183.8) v1(144.8,187.7) v1(144.8,191.3) v1(144.8,210.8) v1(144.8,217.8) v1(144.8,221.8) v1(144.8,225.5) v1(144.8,229.5) v1(144.8,233) v1(144.8,237.2) v1(144.8,240.7) v1(144.8,246) v1(144.8,248.9) v1(144.8,252.6) v1(144.8,256.4) v1(144.8,260.2) v1(144.8,264) v1(144.8,267.9) v1(144.8,270.5) ; v1(6.9,207.9) v1(6.9,269.2) ; v1(63.2,74.1) 63.17,74.12 63.17,80.17 v1(63.2,80.2) ; v1(116.8,270.5) v1(116.8,268) v1(116.8,264.2) v1(116.8,260.5) v1(116.8,256.6) v1(116.8,252.7) v1(116.8,249) v1(116.8,246.1) v1(116.8,240.9) v1(116.8,237.1) v1(116.8,233.3) v1(116.8,229.6) v1(116.8,225.7) v1(116.8,221.9) v1(116.8,218.1) v1(116.8,210.7) v1(116.8,191.5) v1(116.8,187.8) v1(116.8,184) v1(116.8,180.2) v1(116.8,176.4) v1(116.8,172.7) v1(116.8,168.8) v1(116.8,158.45) v1(116.8,151.2) v1(116.8,145.3) v1(116.8,141.7) v1(116.8,137.8) v1(116.8,133.9) v1(116.8,130.2) v1(116.8,126.4) 115.95,125.55 v1(115.95,108.55) ; v1(170.57,100.57) 170.57,108.52 v1(170.62,108.57) ; v1(90.3,74.1) v1(90.3,76.5) v1(90.3,80.4) v1(90.3,84) v1(90.3,87.8) v1(90.3,91.6) v1(90.3,95.4) v1(90.3,99.1) v1(90.3,102.9) 88.7,104.5 v1(88.7,126.3) v1(88.7,130) v1(88.7,133.8) v1(88.7,137.7) v1(88.7,141.5) v1(88.7,145.2) v1(88.7,150.85) v1(88.7,158.26) v1(88.7,168.6) v1(88.7,172.5) v1(88.7,176.4) v1(88.7,180) v1(88.7,184) v1(88.7,187.7) v1(88.7,191.6) v1(88.7,210.8) v1(88.7,218.1) v1(88.7,221.8) v1(88.7,225.4) v1(88.7,229.3) v1(88.7,233.1) v1(88.7,237.1) v1(88.7,240.7) v1(88.7,246.09) v1(88.7,248.9) v1(88.7,252.9) v1(88.7,256.5) v1(88.7,260.4) v1(88.7,264.2) v1(88.7,267.9) 88.7,270.41 v1(88.65,270.45) ; v1(46.47,75.94) v1(46.47,80.19) v1(46.47,126.21) v1(46.47,130.11) v1(46.47,133.81) v1(46.47,137.51) v1(46.47,141.41) v1(46.47,145.31) v1(46.47,149.66) 46.52,149.71 v1(46.52,158.21) v1(46.52,172.56) v1(46.52,176.36) v1(46.52,180.21) v1(46.52,184.01) v1(46.52,187.66) v1(46.52,191.46) v1(46.52,199.13) 46.52,210.66